# Altium PCB PCB Udemy.PcbDoc
Units mil, origin at the board's own origin, x right, y up, seen from the top; angles counter-clockwise.
Board outline 2337 x 2187 mil, 6 copper layers (Top Layer, Layer 1, Layer 2, GND Layer, 3.3V Layer, Bottom Layer), stack 51.712 mil thick; 88 components, 43 nets, 255 pads, 80 vias.
Unrouted connection lines stored in the file: 12.
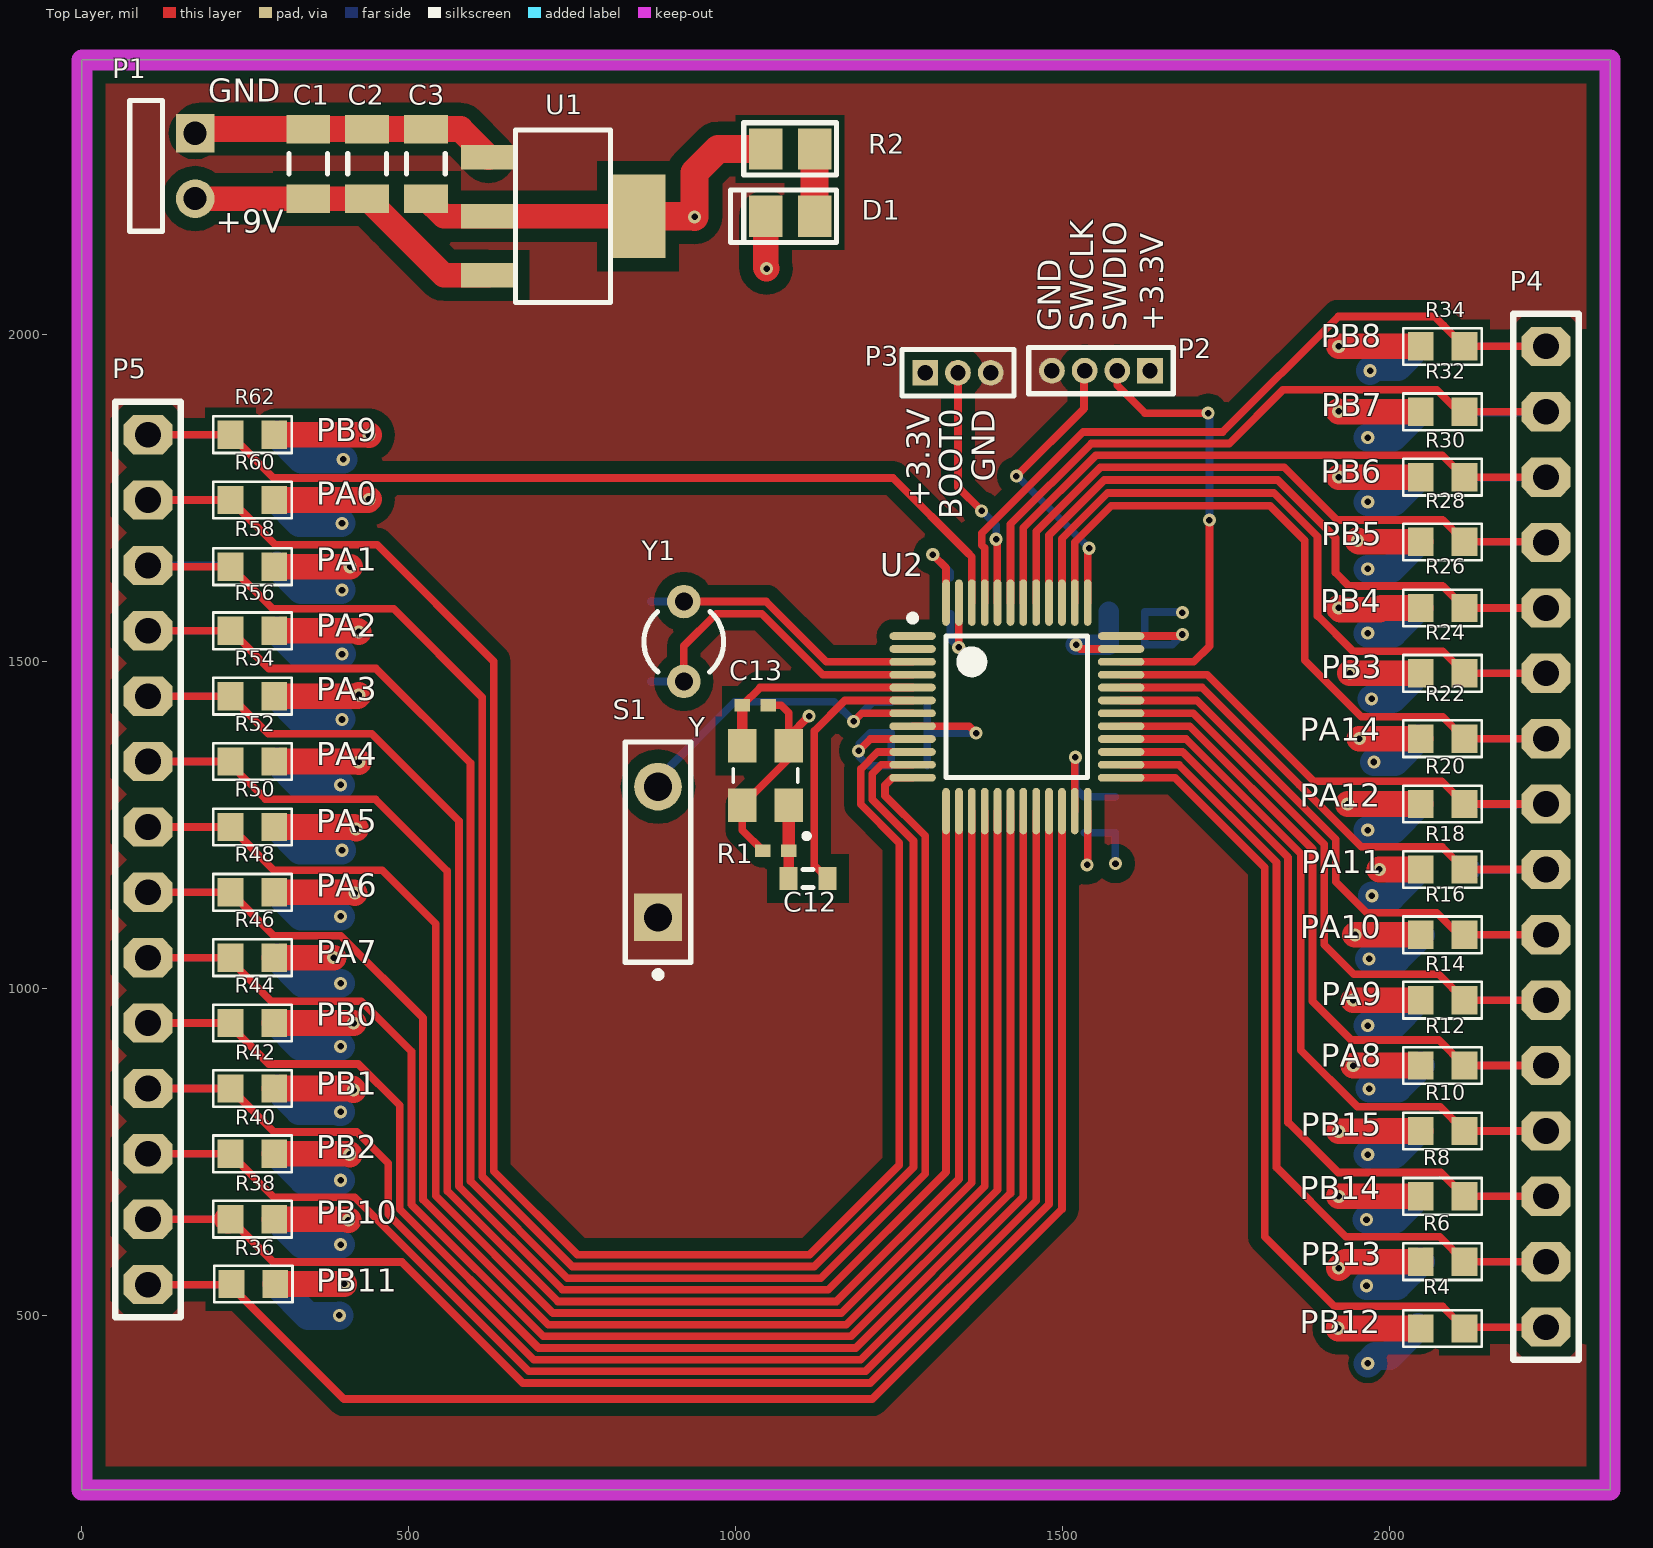
[diagram p0: Top Layer view]
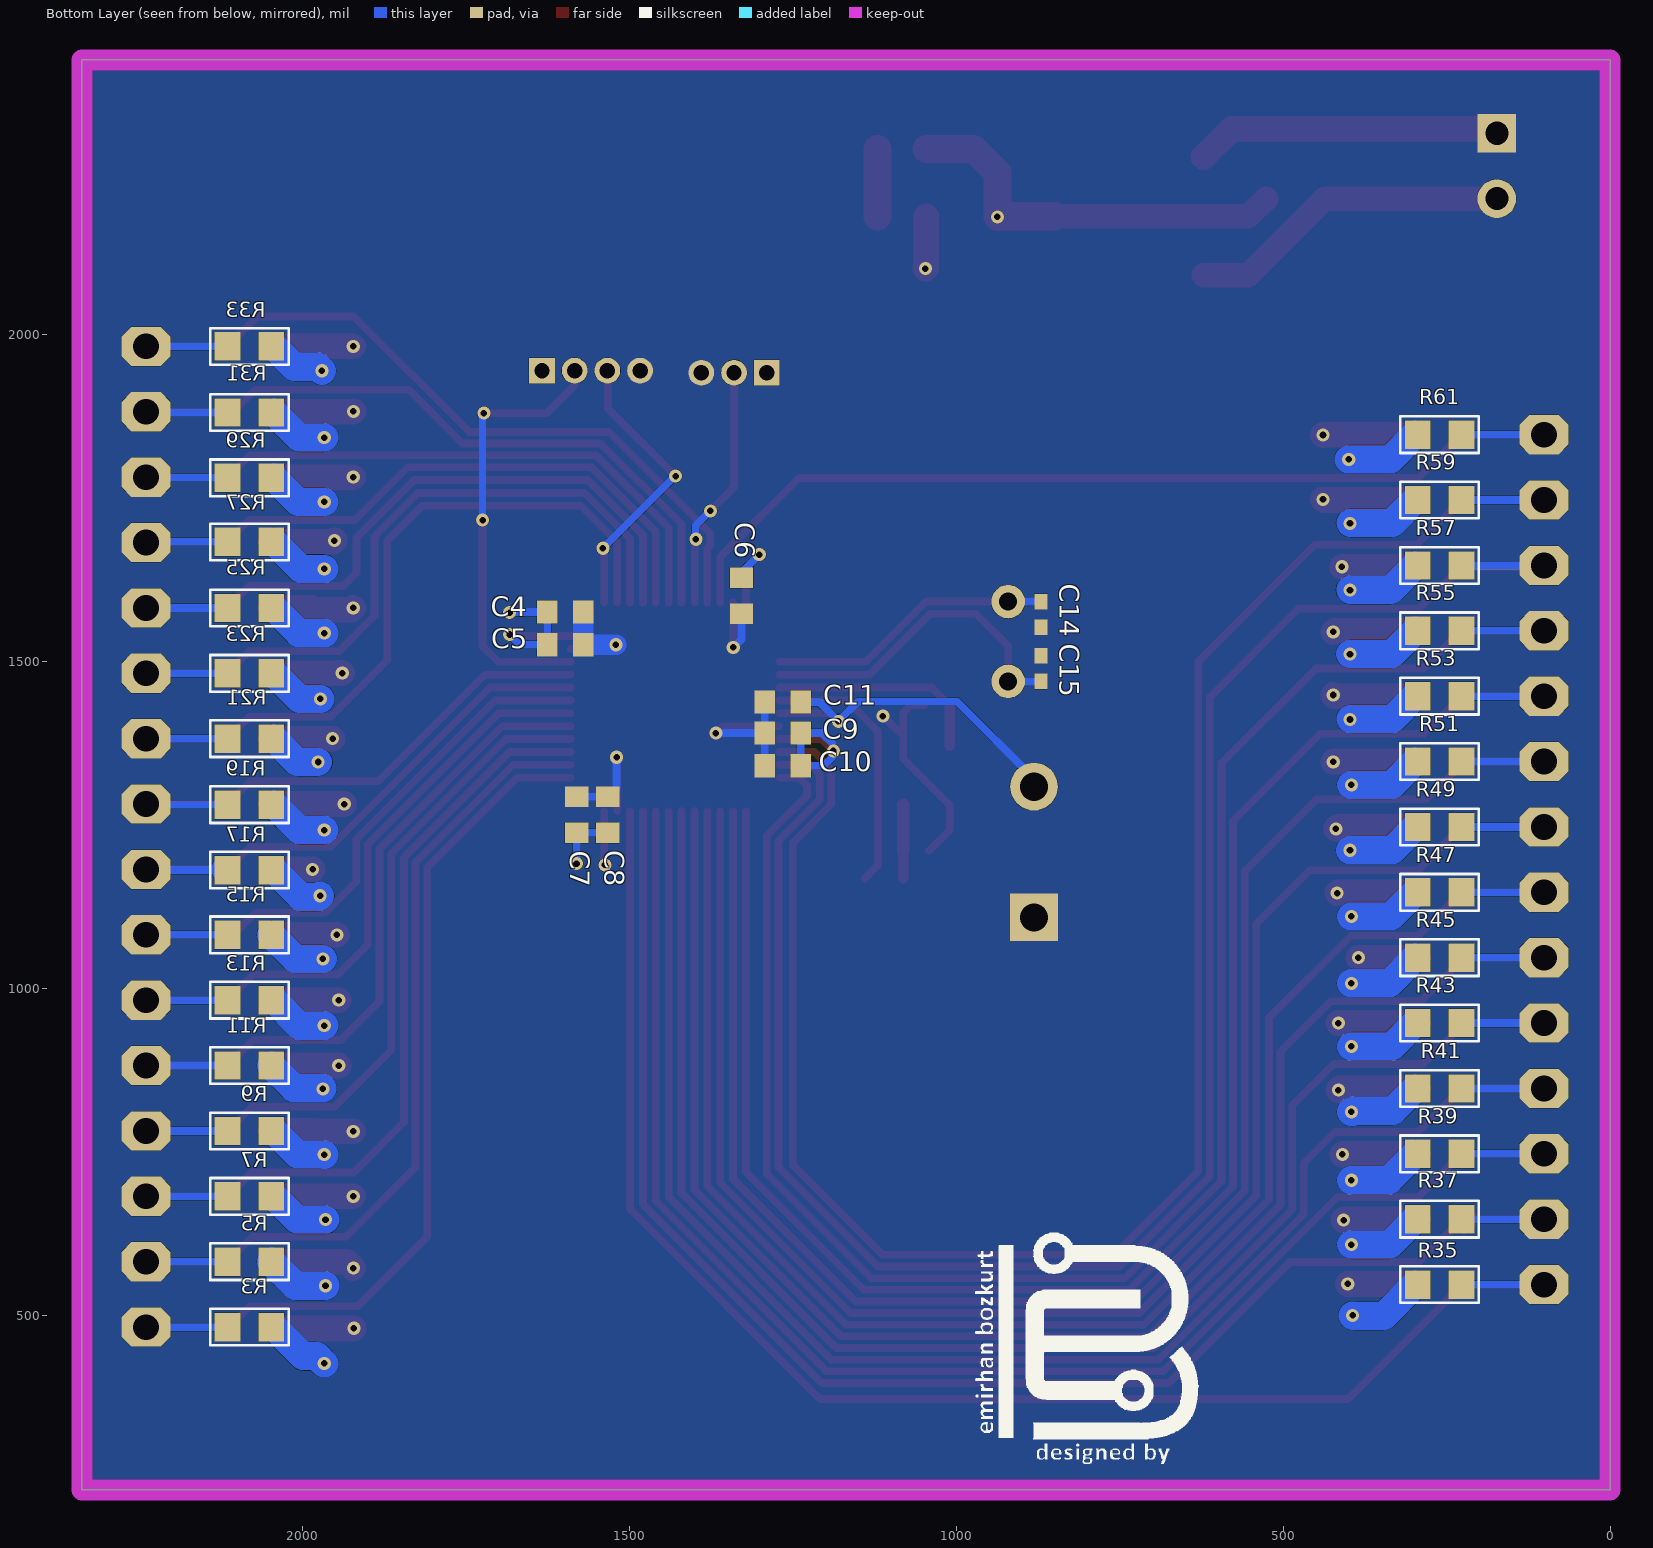
[diagram p1: Bottom Layer view, seen from below]
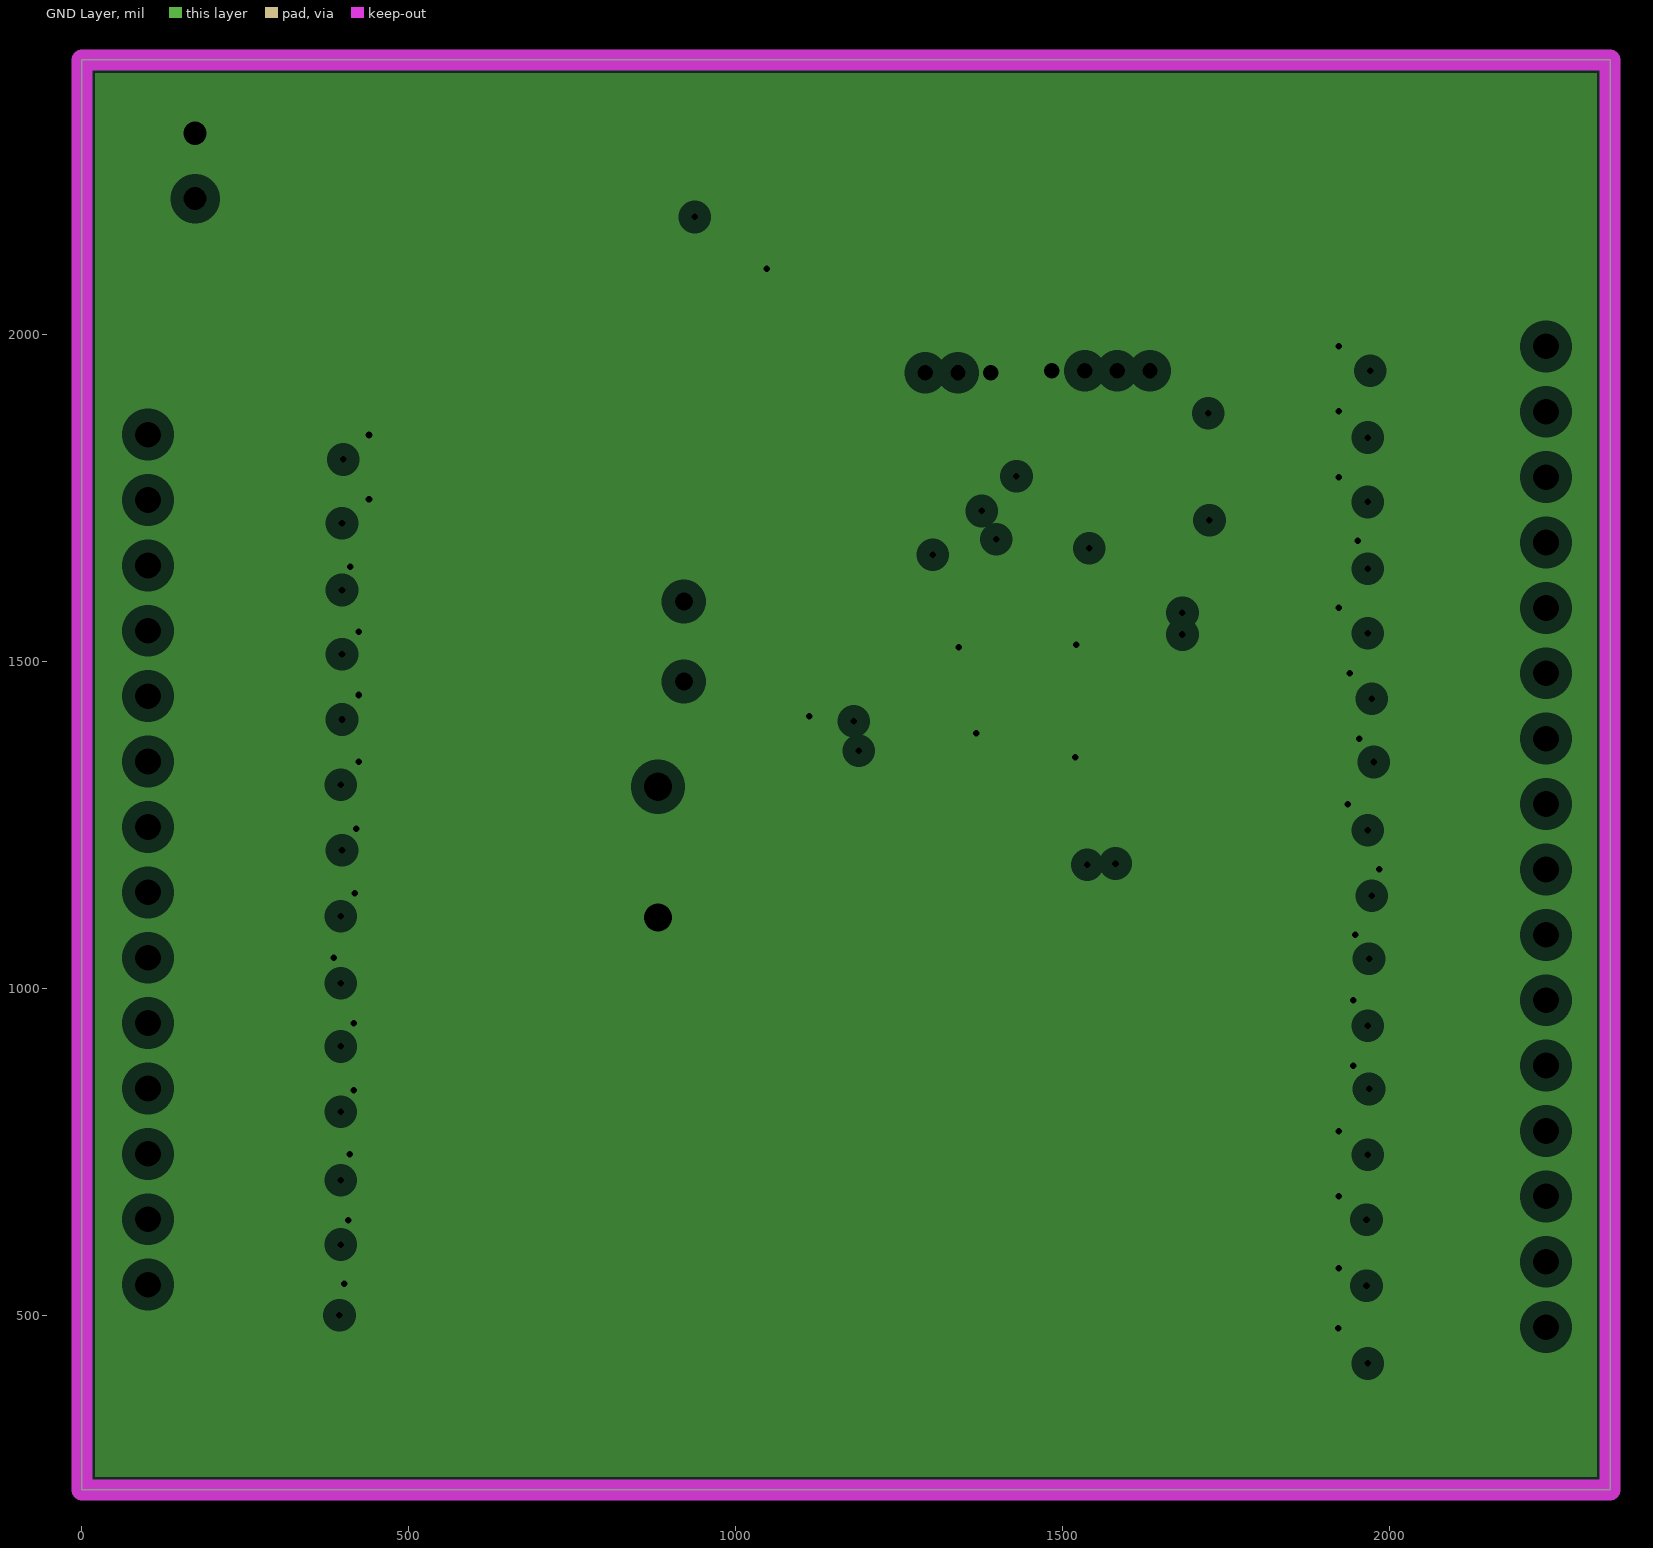
[diagram p2: GND Layer, clearances drawn from the general rule]
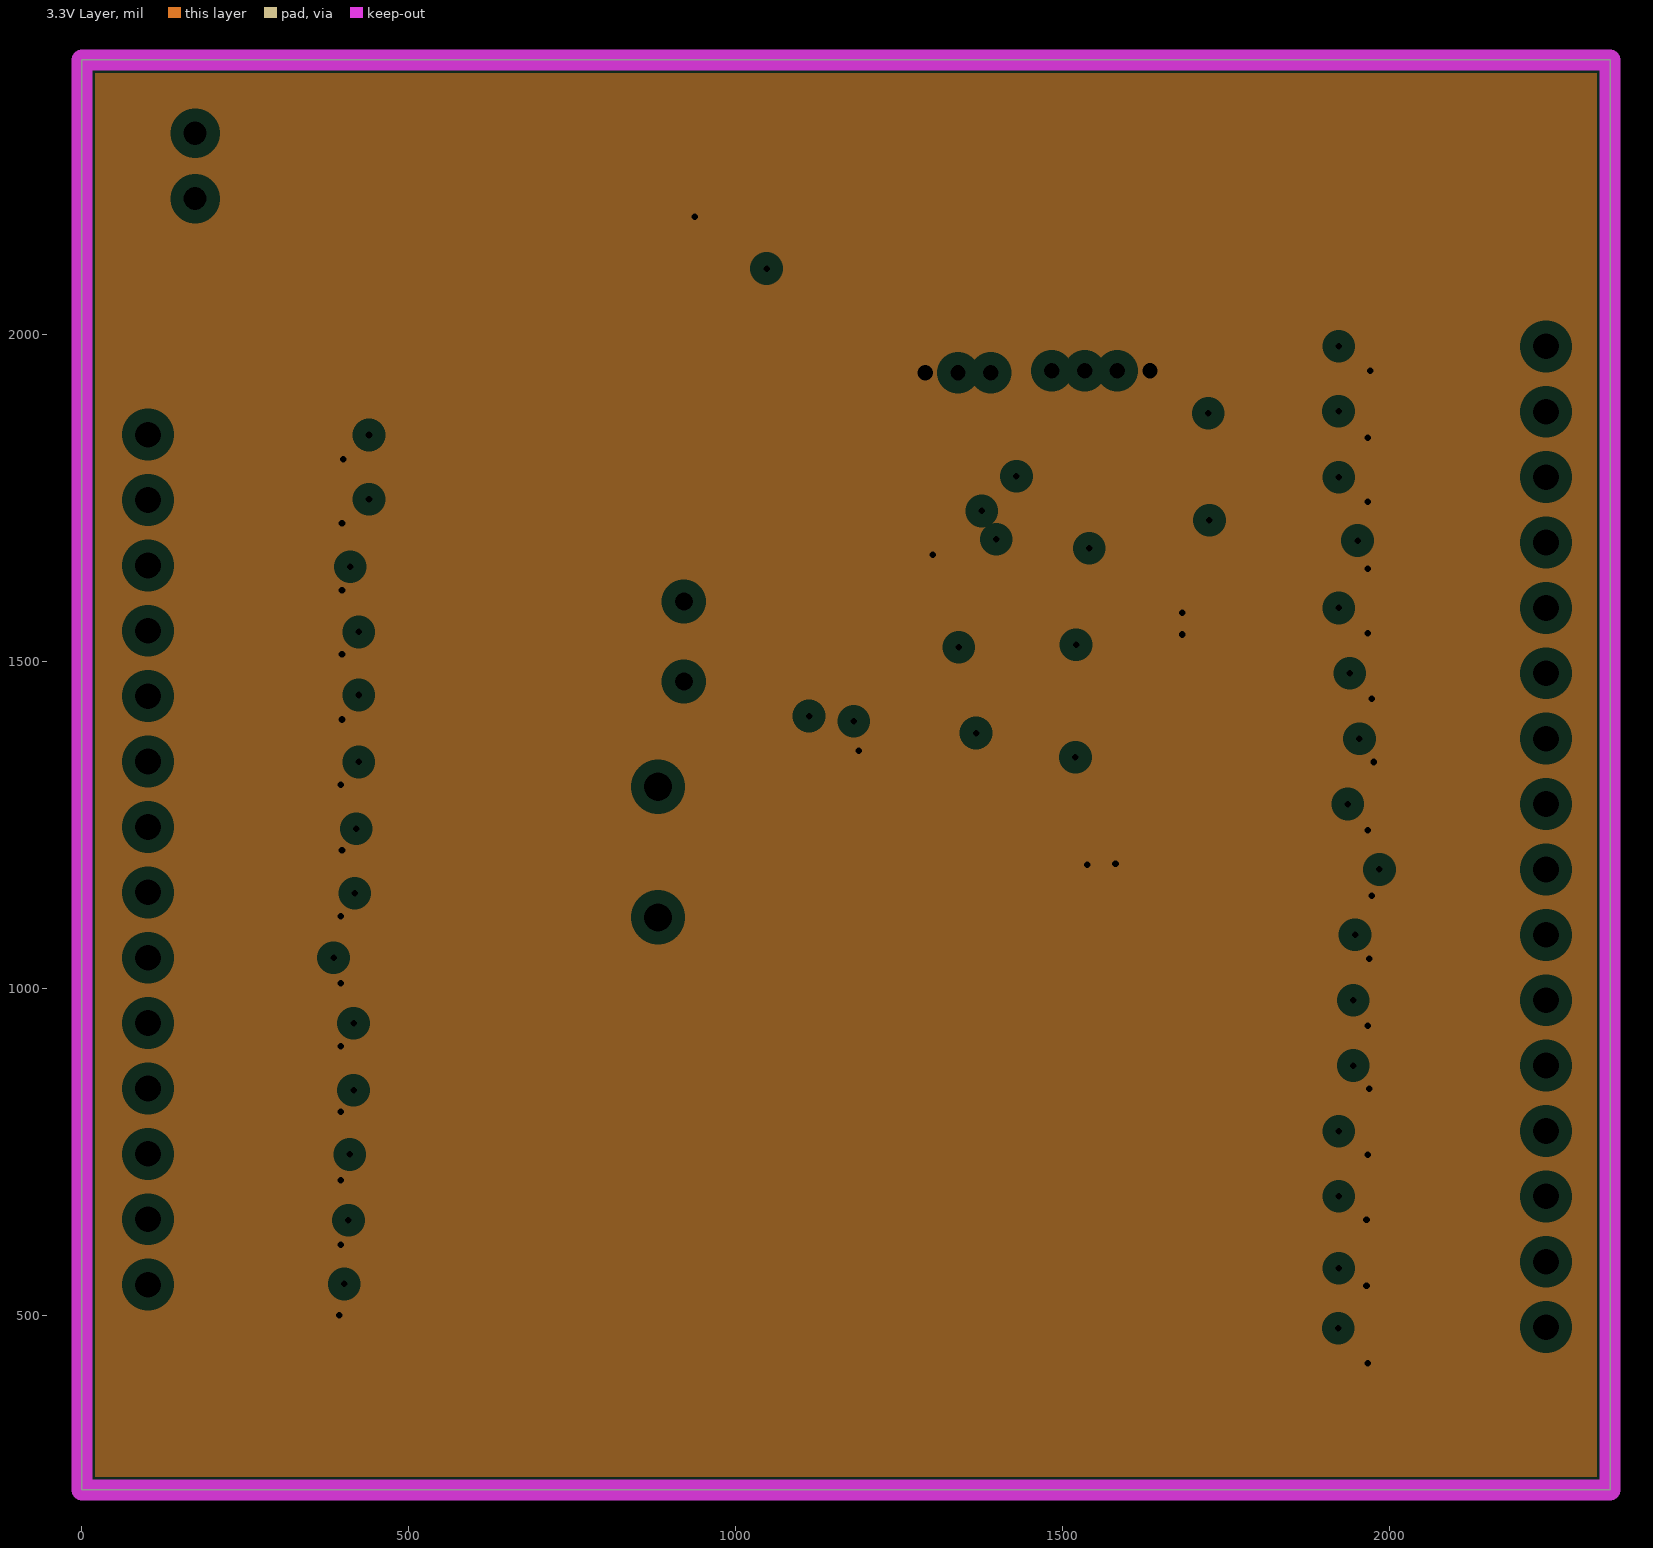
[diagram p3: 3.3V Layer, clearances drawn from the general rule]
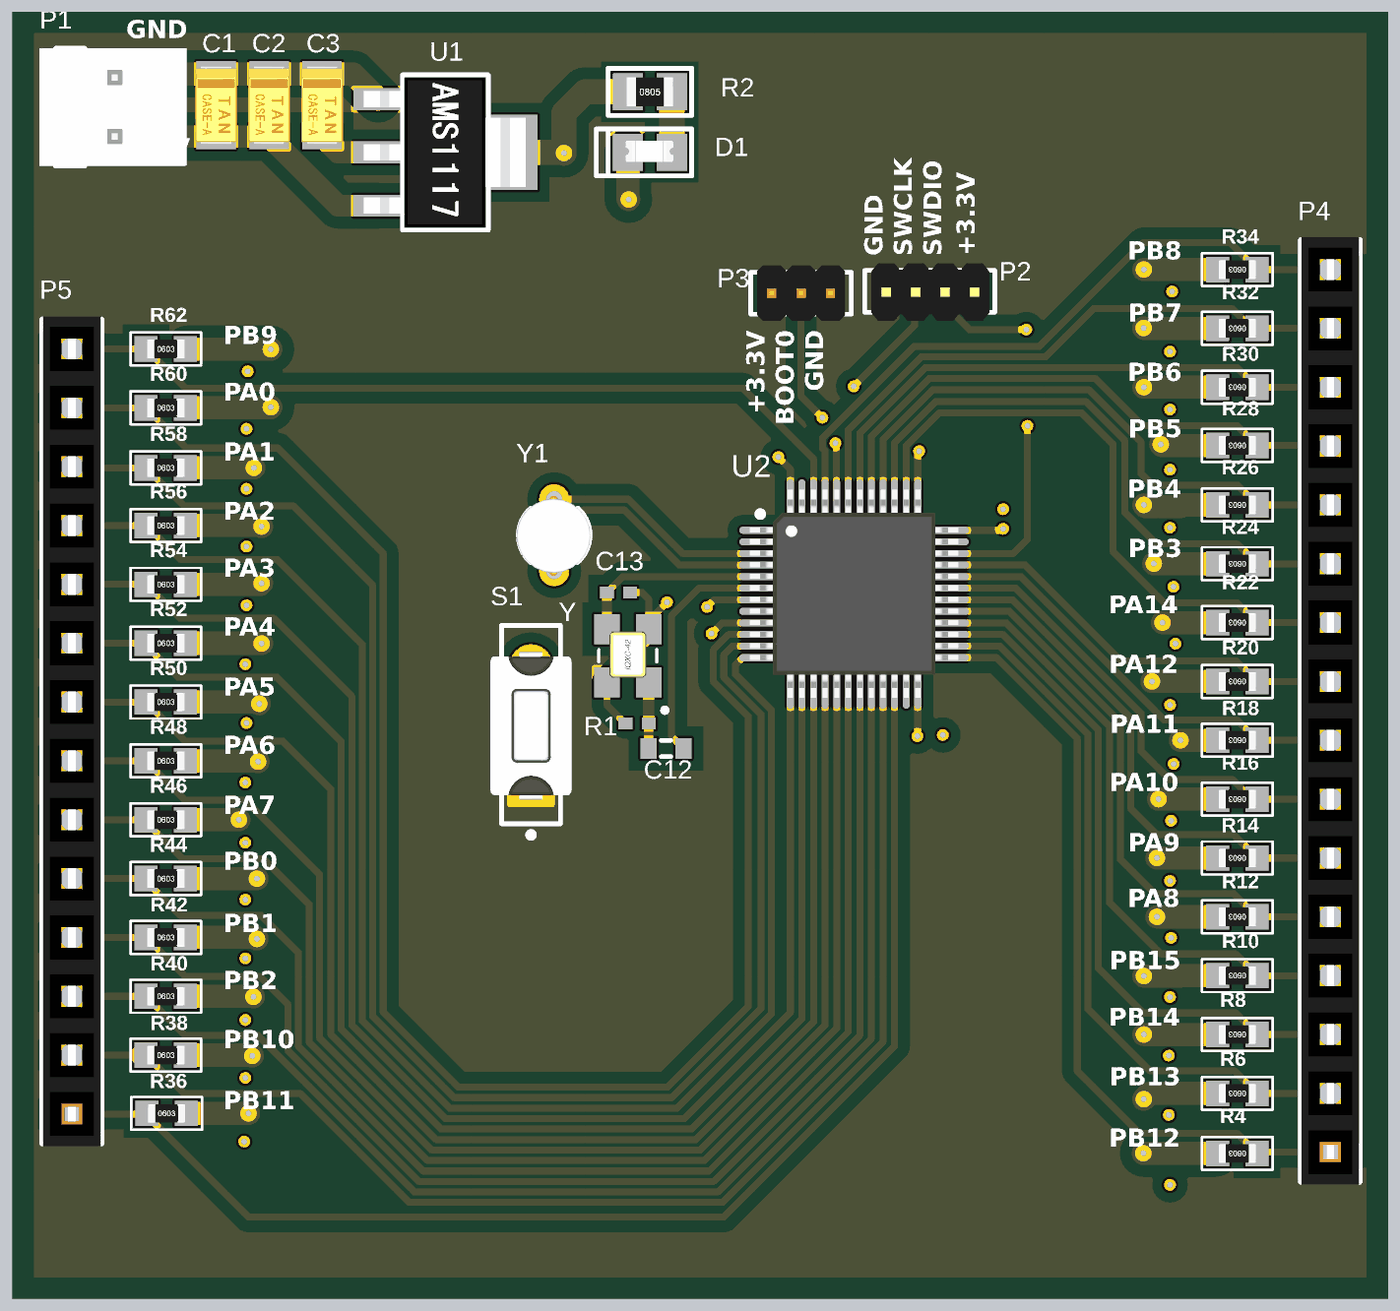
[diagram p4: 3D render of the assembled board from above, using the file's embedded part models]